# Altium PCB STM32F7_CoreBoard Last Design.PcbDoc (part 1 of 2) (continued)
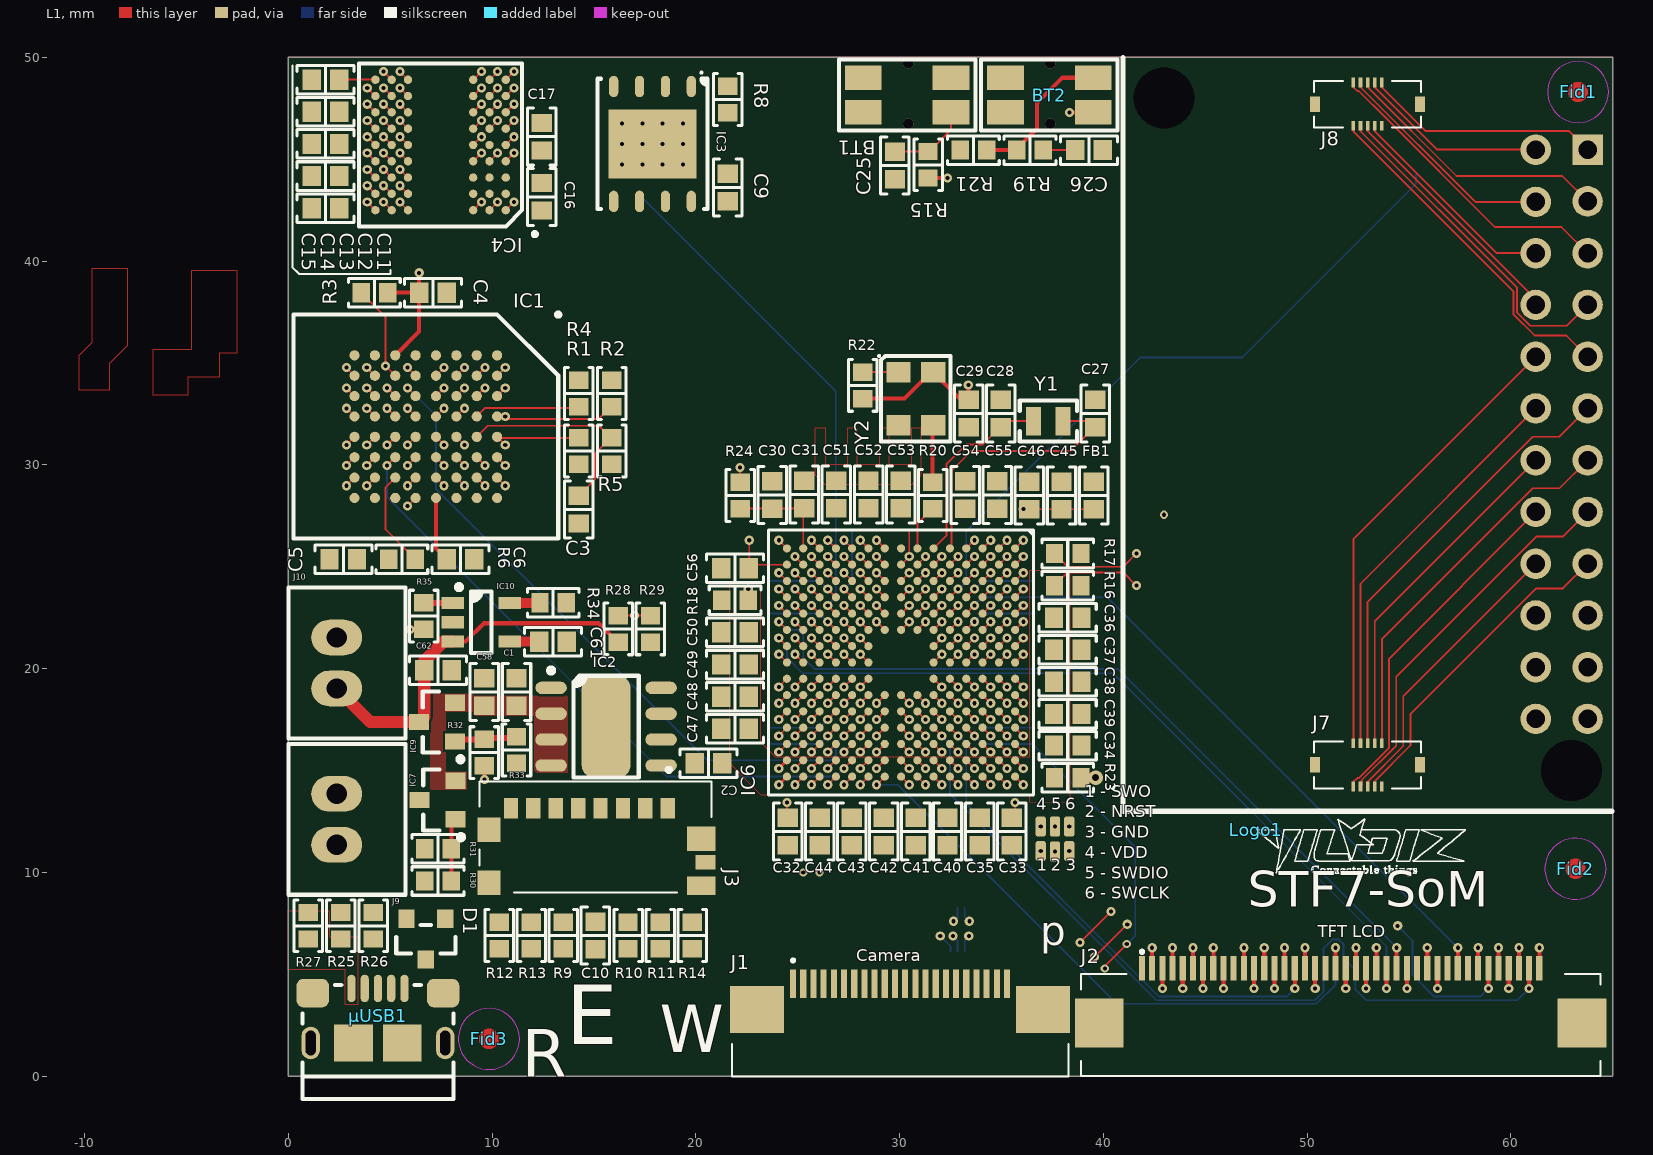
[diagram p0: L1 view]
## Classes and differential pairs
net class DATA: D0 D1 D2 D3 D4 D5 D6 D7 D8 D9 D10 D11 D12 D13 D14 D15
net class WiFi: WiFi_CTS WiFi_IRQ WiFi_MISO WiFi_MOSI WiFi_PWE WiFi_RTS WiFi_RX WiFi_SCL WiFi_TX
net class uSD: SD_CLK SD_CMD SD_D0 SD_D1 SD_D2 SD_D3 SD_DETECT
net class GSM: GSM_CTS GSM_DCD GSM_DTR GSM_PWE GSM_RI GSM_RST GSM_RTS GSM_RX GSM_TX
net class EXP: EXP_GPIO0 EXP_GPIO1 EXP_GPIO2 EXP_GPIO3 EXP_GPIO4
net class COMM: CAN_RX CAN_TX EXP_SCL EXP_SDA RS485_DE RS485_RX RS485_TX
net class ETHERNET: RMII_CRS_DV RMII_MDC RMII_MDIO RMII_REF_CLK RMII_RXD0 RMII_RXD1 RMII_RXER RMII_TX_EN RMII_TXD0 RMII_TXD1
net class SDRAM: FMC_SDCKE0 FMC_SDCLK FMC_SDNCAS FMC_SDNE0 FMC_SDNRAS FMC_SDNWE
net class FLASH: FMC_NE1 FMC_NOE FMC_NWAIT FMC_NWE
differential pair class USB_FS: USB_HS_DM
net class USB_FS: USB_HS_DM USB_HS_DM_P
component class STM32F7_BaseBoard: Fid1 Fid2 Fid3 Logo1 Logo2
net class QSPI: QSPI_CLK QSPI_D0 QSPI_D1 QSPI_D2 QSPI_D3 QSPI_NCS
net class ADDRESS: A0 A1 A2 A3 A4 A5 A6 A7 A8 A9 A10 A11 A12 A13 A14 A15 A16 A17 A18 A19 A20 A21 FMC_A22 FMC_A23 FMC_A24 FMC_A25
net class LCD: B0 B1 B2 B3 B4 B5 B6 B7 G0 G1 G2 G3 G4 G5 G6 G7 LCD_CLK LCD_HSYNC LCD_R0 LCD_R1 LCD_R2 LCD_R3 LCD_R4 LCD_R5 LCD_R6 LCD_R7 LCD_VSYNC
net class DCMI: CAMERA_LIGHT CAMERA_MISO CAMERA_MOSI CAMERA_SCL DCMI_D0 DCMI_D1 DCMI_D2 DCMI_D3 DCMI_D4 DCMI_D5 DCMI_D6 DCMI_D7 DCMI_HSYNC DCMI_NRST DCMI_PIXCK DCMI_PWREN DCMI_SCK DCMI_SDA DCMI_VSYNC
net class LCD_R[0..7]: LCD_R0 LCD_R1 LCD_R2 LCD_R3 LCD_R4 LCD_R5 LCD_R6 LCD_R7
net class G[0..7]: G0 G1 G2 G3 G4 G5 G6 G7
net class B[0..7]: B0 B1 B2 B3 B4 B5 B6 B7
net class DCMI_D[0..7]: DCMI_D0 DCMI_D1 DCMI_D2 DCMI_D3 DCMI_D4 DCMI_D5 DCMI_D6 DCMI_D7
net class D[0..15]: D0 D1 D2 D3 D4 D5 D6 D7 D8 D9 D10 D11 D12 D13 D14 D15
net class A[0..21]: A0 A1 A2 A3 A4 A5 A6 A7 A8 A9 A10 A11 A12 A13 A14 A15 A16 A17 A18 A19 A20 A21
component class U_USB: D1 R25 R26 R27 µUSB1 µUSB?
component class "U_SDRAM 1": C11 C12 C13 C14 C15 C16 C17 IC4
component class U_Connections: J5 J6 J7 J8 J11
component class U_STM32F7: BT1 BT2 C25 C26 C27 C28 C29 C30 C31 C32 C33 C34 C35 C36 C37 C38 C39 C40 C41 C42 C43 C44 C45 C46 C47 C48 C49 C50 C51 C52 C53 C54 C55 FB1 IC6 R15 R16 R17 R18 R19 R20 R21 R22 R23 R24 Y1 Y2
component class "U_SD Card": C10 J3 R9 R10 R11 R12 R13 R14
component class "U_QSPI FLASH": C9 IC3 R8
component class U_Power: C1 C2 C56 C58 C61 C62 IC2 IC7 IC9 IC10 J9 J10 R28 R29 R30 R31 R32 R33 R34 R35
component class U_LCD: J2
component class "U_Paralel NOR FLASH": C3 C4 C5 C6 IC1 R1 R2 R3 R4 R5 R6
component class U_Camera: J1
differential pair USB_HS_DM: +USB_HS_DM_P -USB_HS_DM

## Components (designator, comment, footprint, x,y, rotation, side; value= is the part's Value field where it differs from the comment)
BT1 "#NAME?" TactileButton 32.525,47.3 r180 top
BT2 "#NAME?" TactileButton 39.5,47.3 r180 top
C1 "10uF" "CAP 0603/1608" 11.2,18.85 r270 top
C2 "10uF" "CAP 0603/1608" 20.625,15.35 r180 top
C3 "100nF" "CAP 0603/1608" 14.25,27.8 r270 top
C4 "100nF" "CAP 0603/1608" 7.1,38.45 r0 top
C5 "100nF" "CAP 0603/1608" 2.7,25.375 r180 top
C6 "100nF" "CAP 0603/1608" 8.45,25.375 r0 top
C9 "100nF" "CAP 0603/1608" 21.565,43.605 r90 top
C10 "100nF" "CAP 0603/1608" 15.075,6.9 r90 top
C11 "100nF" "CAP 0603/1608" 1.83,42.6 r180 top
C12 "100nF" "CAP 0603/1608" 1.83,44.175 r180 top
C13 "100nF" "CAP 0603/1608" 1.83,45.75 r180 top
C14 "100nF" "CAP 0603/1608" 1.83,47.325 r180 top
C15 "100nF" "CAP 0603/1608" 1.83,48.9 r180 top
C16 "100nF" "CAP 0603/1608" 12.445,43.155 r270 top
C17 "100nF" "CAP 0603/1608" 12.445,46.105 r90 top
C25 "100nF" "CAP 0603/1608" 29.775,44.7 r90 top
C26 "100nF" "CAP 0603/1608" 39.3,45.45 r180 top
C27 "15pF" "CAP 0603/1608" 39.6,32.525 r270 top
C28 "15pF" "CAP 0603/1608" 34.975,32.525 r270 top
C29 "100nF" "CAP 0603/1608" 33.4,32.525 r90 top
C30 "1uF" "CAP 0603/1608" 23.75,28.525 r270 top
C31 "100nF" "CAP 0603/1608" 25.325,28.55 r270 top
C32 "2.2uF" "CAP 0603/1608" 24.505,11.998 r90 top
C33 "2.2uF" "CAP 0603/1608" 35.5,12 r90 top
C34 "4.7uF" "CAP 0603/1608" 38.255,16.223 r180 top
C35 "4.7uF" "CAP 0603/1608" 33.93,11.998 r90 top
C36 "100nF" "CAP 0603/1608" 38.255,22.498 r180 top
C37 "100nF" "CAP 0603/1608" 38.255,20.923 r180 top
C38 "100nF" "CAP 0603/1608" 38.255,19.348 r180 top
C39 "100nF" "CAP 0603/1608" 38.255,17.773 r180 top
C40 "100nF" "CAP 0603/1608" 32.355,11.998 r90 top
C41 "100nF" "CAP 0603/1608" 30.805,11.998 r90 top
C42 "100nF" "CAP 0603/1608" 29.23,11.998 r90 top
C43 "100nF" "CAP 0603/1608" 27.655,11.998 r90 top
C44 "100nF" "CAP 0603/1608" 26.08,11.998 r90 top
C45 "1uF" "CAP 0603/1608" 37.95,28.5 r270 top
C46 "100nF" "CAP 0603/1608" 36.375,28.5 r270 top
C47 "100nF" "CAP 0603/1608" 21.925,17.05 r0 top
C48 "100nF" "CAP 0603/1608" 21.925,18.625 r0 top
C49 "100nF" "CAP 0603/1608" 21.925,20.2 r0 top
C50 "100nF" "CAP 0603/1608" 21.925,21.775 r0 top
C51 "100nF" "CAP 0603/1608" 26.9,28.55 r270 top
C52 "100nF" "CAP 0603/1608" 28.48,28.548 r270 top
C53 "100nF" "CAP 0603/1608" 30.055,28.548 r270 top
C54 "100nF" "CAP 0603/1608" 33.225,28.525 r270 top
C55 "100nF" "CAP 0603/1608" 34.8,28.525 r270 top
C56 "10nF" "CAP 0603/1608" 21.93,24.923 r0 top
C58 "4.7uF" "CAP 0603/1608" 9.625,18.85 r270 top
C61 "10uF" "CAP 0603/1608" 13,21.325 r180 top
C62 "10uF" "CAP 0603/1608" 7.35,19.925 r180 top
D1 "#NAME?" "ON SEMI SOT-23-3" 6.75,6.725 r270 top
FB1 "#NAME?" "FER 0603/1608" 39.525,28.5 r90 top
Fid1 "Fiducial mark" Fiducial 63.3,48.3 r0 top
Fid2 "Fiducial mark" Fiducial 63.175,10.175 r90 top
Fid3 "Fiducial mark" Fiducial 9.85,1.825 r90 top
IC1 "#NAME?" "MICRON LBGA-64 11X13mm" 6.75,31.875 r270 top
IC2 "AP7362" "DIODES SO-8-EP" 15.6,17.15 r0 top
IC3 "#NAME?" "WINBOND WSON-8 6x5mm" 17.875,45.75 r270 top
IC4 "#NAME?" "MICRON VFBGA-54 8X14MM" 7.475,45.7 r180 top
IC6 "#NAME?" "ST TFBGA-216 13x13 0.8mm" 30.075,20.3 r270 top locked
IC7 "#NAME?" "INFINEON SOT-23-3" 7.325,13.55 r180 top
IC9 "#NAME?" "INFINEON SOT-23-3" 7.3,17.375 r180 top
IC10 "#NAME?" "MICROCHIP SOT-23-5 OT" 9.475,22.275 r0 top
J1 "#NAME?" fpc-22 30.025,3.9 r0 top locked
J2 "#NAME?" fpc-40 51.625,2.625 r180 top locked
J3 "#NAME?" "Molex - 0475710001" 15.075,11.725 r0 top
J5 "#NAME?" "HIROSE BM2410DS" 55,43.2 r180 bottom locked
J6 "#NAME?" "HIROSE BM2410DS" 10,43.2 r180 bottom locked
J7 "#NAME?" "HIROSE BM2410DS" 52.975,15.275 r180 top locked
J8 "#NAME?" "HIROSE BM2410DS" 52.975,47.7 r180 top locked
J9 "2 Pin" "JST XH B2B-XH-A" 2.375,12.6 r90 top
J10 "2 Pin" "JST XH B2B-XH-A" 2.375,20.275 r90 top
J11 "#NAME?" "HIROSE BM2410DS" 32.5,7.2 r180 bottom locked
Logo1 "Logo symbol" LOGO_YILDIZIOT 47.475,12.1 r0 top
Logo2 "Logo symbol" LOGO_YILDIZIOT 37.24,35.42 r180 bottom
R1 "10kR" "RES 0603/1608" 14.25,30.675 r270 top
R2 "10kR" "RES 0603/1608" 15.875,33.5 r90 top
R3 "10kR" "RES 0603/1608" 4.225,38.45 r0 top
R4 "10kR" "RES 0603/1608" 14.25,33.5 r90 top
R5 "10kR" "RES 0603/1608" 15.875,30.675 r270 top
R6 "10kR" "RES 0603/1608" 5.575,25.375 r0 top
R8 "10kR" "RES 0603/1608" 21.565,47.93 r270 top
R9 "4.7kR" "RES 0603/1608" 13.5,6.9 r270 top
R10 "4.7kR" "RES 0603/1608" 16.675,6.9 r270 top
R11 "4.7kR" "RES 0603/1608" 18.25,6.9 r270 top
R12 "4.7kR" "RES 0603/1608" 10.35,6.9 r270 top
R13 "4.7kR" "RES 0603/1608" 11.925,6.9 r270 top
R14 "10kR" "RES 0603/1608" 19.825,6.9 r270 top
R15 "10kR" "RES 0603/1608" 31.4,44.725 r90 top
R16 "10kR" "RES 0603/1608" 38.255,24.073 r180 top
R17 "10kR" "RES 0603/1608" 38.255,25.648 r180 top
R18 "10kR" "RES 0603/1608" 21.93,23.348 r0 top
R19 "10kR" "RES 0603/1608" 36.4,45.45 r0 top
R20 "100R" "RES 0603/1608" 31.625,28.5 r90 top
R21 "10kR" "RES 0603/1608" 33.625,45.45 r0 top
R22 "10kR" "RES 0603/1608" 28.2,33.9 r90 top
R23 "0mR" "RES 0603/1608" 38.255,14.648 r0 top
R24 "0mR" "RES 0603/1608" 22.175,28.5 r90 top
R25 "20R" "RES 0603/1608" 2.575,7.375 r270 top
R26 "20R" "RES 0603/1608" 4.175,7.375 r270 top
R27 "4.7kR" "RES 0603/1608" 0.975,7.375 r90 top
R28 "30MR" "RES 0603/1608" 16.2,21.95 r270 top
R29 "30MR" "RES 0603/1608" 17.775,21.95 r90 top
R30 "10kR" "RES 0603/1608" 7.35,9.575 r180 top
R31 "10kR" "RES 0603/1608" 7.35,11.15 r0 top
R32 "10kR" "RES 0603/1608" 9.625,15.875 r270 top
R33 "10kR" "RES 0603/1608" 11.2,16 r90 top
R34 "1kR" "RES 0603/1608" 13,23.225 r180 top
R35 "10kR" "RES 0603/1608" 6.65,22.575 r90 top
Y1 "32.768kHz" "ABRACON ABS06" 37.3,32.15 r0 top
Y2 "24MHz" "Abracon ASTX-11" 30.8,33.25 r270 top
µUSB1 "USB Micro" "FCI USB 10118193-0001LF" 4.4,1.675 r180 top locked

## Footprints (in the part's own frame and the unit in brackets; to place one, negate y for a bottom-side part, rotate by r counter-clockwise, add the part's x,y. Pads: shape width x height; smd on the part's side, far side on the other; paste and mask are expansions set on the pad)
"ABRACON ABS06" [mm] "Crystal, 2-Leads, Body 1.20x2.00mm, Pitch 1.50mm, IPC Medium Density"
  rect 0.75x1.4 smd: 1(-0.725,0) 2(0.725,0)
  silkscreen extent -1.4,-1 1.4,1, body extent -1.02,-0.62 1.03,0.63, height 0.6
"Abracon ASTX-11" [mm] "Crystal, 4-Leads, Body 2.50x3.20mm, Pitch 2.38mm, IPC Medium Density"
  rect 1x1.2 smd: 1(-1.3,-0.85) 2(1.3,-0.85) 3(1.3,0.85) 4(-1.3,0.85)
  silkscreen extent -2.15,-1.85 2.1,1.7, body extent -1.61,-1.26 1.61,1.26, height 0.9
"CAP 0603/1608" [mm] "Chip Capacitor, 2-Leads, Body 1.60x0.80mm, IPC Medium Density"
  rect 0.9x1 smd: 1(-0.675,0) 2(0.675,0)
  silkscreen extent -1.4,-0.7 1.4,0.7, body extent -0.8,-0.41 0.8,0.41, height 0.82
"DIODES SO-8-EP" [mm] "SOIC, 8-Leads, Body 4.90x3.90mm, Pitch 1.27mm, IPC Medium Density"
  oval 1.55x0.6 smd: 1(-2.7,1.905) 2(-2.7,0.635) 3(-2.7,-0.635) 4(-2.7,-1.905) 5(2.7,-1.905) 6(2.7,-0.635) 7(2.7,0.635) 8(2.7,1.905)
  rrect50% 2.4x5 smd: EP(0,0)
  silkscreen extent -2.82,-2.5 1.6,2.88, body extent -3.01,-2.45 3.01,2.45, height 1.5
"FCI USB 10118193-0001LF" [mm] "USB 2.0 Type B Micro"
  oval 0.4x1.35 smd: 1(1.3,-2.625) 2(0.65,-2.625) 3(0,-2.625) 4(-0.65,-2.625) 5(-1.3,-2.625)
  oval 0.9x1.6 hole 0.5 slot 1.2 at 90 deg: S(-3.3,0.05) S(3.3,0.05)
  rrect50% 1.6x1.4 smd: S(-3.2,-2.4) S(3.2,-2.4)
  rect 1.9x1.8 smd: S(-1.2,0.05) S(1.2,0.05)
  silkscreen extent -3.7,-2.8 3.7,2.8, body extent -3.93,-2.9 3.93,2.76, height 2.78
"FER 0603/1608" [mm] "Chip Ferrite, 2-Leads, Body 1.60x0.80mm, IPC Medium Density"
  rect 0.9x1 smd: 1(-0.675,0) 2(0.675,0)
  silkscreen extent -1.4,-0.7 1.4,0.7, body extent -0.8,-0.41 0.8,0.41, height 0.82
Fiducial [mm] "Electrolitic Radial Capacitor, 5mm pin space, 0.8mm Hole, 10.1mm diametre, 15.2 height"
  L1 circle w1: c0,0 r0
  L1 keep-out circle w0.01: c0,0 r1.5
fpc-22 [mm] "SFV22R-2STE1HLF"
  rect 0.3x1.4 smd: 1(-5.25,0.625) 2(-4.75,0.625) 3(-4.25,0.625) 4(-3.75,0.625) 5(-3.25,0.625) 6(-2.75,0.625) 7(-2.25,0.625) 8(-1.75,0.625) 9(-1.25,0.625) 10(-0.75,0.625) 11(-0.25,0.625) 12(0.25,0.625) 13(0.75,0.625) 14(1.25,0.625) 15(1.75,0.625) 16(2.25,0.625) 17(2.75,0.625) 18(3.25,0.625) 19(3.75,0.625) 20(4.25,0.625) 21(4.75,0.625) 22(5.25,0.625)
  rect 2.65x2.3 smd: MP1(-7.025,-0.625) MP2(7.025,-0.625)
  silkscreen extent -8.25,-3.93 8.27,1.82, body extent -8.25,-3.87 8.25,1.03, height 1.82
fpc-40 [mm] "40 way 0.5 pitch FPC Connector"
  rect 0.3x1.2 smd: 1(9.725,-2.675) 2(9.225,-2.675) 3(8.725,-2.675) 4(8.225,-2.675) 5(7.725,-2.675) 6(7.225,-2.675) 7(6.725,-2.675) 8(6.225,-2.675) 9(5.725,-2.675) 10(5.225,-2.675) 11(4.725,-2.675) 12(4.225,-2.675) 13(3.725,-2.675) 14(3.225,-2.675) 15(2.725,-2.675) 16(2.225,-2.675) 17(1.725,-2.675) 18(1.225,-2.675) 19(0.725,-2.675) 20(0.225,-2.675) 21(-0.275,-2.675) 22(-0.775,-2.675) 23(-1.275,-2.675) 24(-1.775,-2.675) 25(-2.275,-2.675) 26(-2.775,-2.675) 27(-3.275,-2.675) 28(-3.775,-2.675) 29(-4.275,-2.675) 30(-4.775,-2.675) 31(-5.275,-2.675) 32(-5.775,-2.675) 33(-6.275,-2.675) 34(-6.775,-2.675) 35(-7.275,-2.675) 36(-7.775,-2.675) 37(-8.275,-2.675) 38(-8.775,-2.675) 39(-9.275,-2.675) 40(-9.775,-2.675)
  rect 2.4x2.4 smd: MP1(11.825,0.025) MP2(-11.875,0.025)
  silkscreen extent -12.77,-3.52 12.73,2.62, body extent -12.77,-3.03 12.72,2.58, height 2
"HIROSE BM2410DS" [mm]
  rect 0.18x0.48 smd: 1(-0.7,-1.06) 2(-0.7,1.06) 3(-0.35,-1.06) 4(-0.35,1.06) 5(0,-1.06) 6(0,1.06) 7(0.35,-1.06) 8(0.35,1.06) 9(0.7,-1.06) 10(0.7,1.06)
  rect 0.49x0.76 smd: MP1(-2.58,0) MP2(2.58,0)
  silkscreen extent -2.63,-1.15 2.63,1.15, body extent -2.63,-1.24 2.62,1.06, height 0.78
"INFINEON SOT-23-3" [mm] "SOT23, 3-Leads, Body 2.90x2.40mm, Pitch 0.95mm, IPC Medium Density"
  rect 0.972x0.802 smd: 1(-0.885,0.95) 2(-0.885,-0.95) 3(0.885,0)
  silkscreen extent -1.28,-1.5 0.7,1.95, body extent -1.16,-1.45 1.16,1.45, height 1
"JST XH B2B-XH-A" [mm]
  oval 1.75x2.5 hole 1: 1(-1.25,0) 2(1.25,0)
  silkscreen extent -3.7,-3.38 3.7,2.38, body extent -3.7,-3.38 3.7,2.38, height 7
LOGO_YILDIZIOT [mm] "YýLDýZ IoT Logo"
  silkscreen extent 0.02,-2.27 10.31,0.53
"MICROCHIP SOT-23-5 OT" [mm] "SOT23, 5-Leads, Body 2.90x2.70mm, Pitch 0.95mm, IPC Medium Density"
  rect 1.1x0.6 smd: 1(-1.4,0.95) 2(-1.4,0) 3(-1.4,-0.95) 4(1.4,-0.95) 5(1.4,0.95)
  silkscreen extent -1.22,-1.5 0.5,1.85, body extent -1.36,-1.45 1.36,1.45, height 1.19
"MICRON LBGA-64 11X13mm" [mm] "64-Ball LBGA – 11mm x 13mm (Package Code: PC)"
  round 0.5 smd: A1(-3.5,3.5) A2(-2.5,3.5) A3(-1.5,3.5) A4(-0.5,3.5) A5(0.5,3.5) A6(1.5,3.5) A7(2.5,3.5) A8(3.5,3.5) B1(-3.5,2.5) B2(-2.5,2.5) B3(-1.5,2.5) B4(-0.5,2.5) B5(0.5,2.5) B6(1.5,2.5) B7(2.5,2.5) B8(3.5,2.5) C1(-3.5,1.5) C2(-2.5,1.5) C3(-1.5,1.5) C4(-0.5,1.5) C5(0.5,1.5) C6(1.5,1.5) C7(2.5,1.5) C8(3.5,1.5) D1(-3.5,0.5) D2(-2.5,0.5) D3(-1.5,0.5) D4(-0.5,0.5) D5(0.5,0.5) D6(1.5,0.5) D7(2.5,0.5) D8(3.5,0.5) E1(-3.5,-0.5) E2(-2.5,-0.5) E3(-1.5,-0.5) E4(-0.5,-0.5) E5(0.5,-0.5) E6(1.5,-0.5) E7(2.5,-0.5) E8(3.5,-0.5) F1(-3.5,-1.5) F2(-2.5,-1.5) F3(-1.5,-1.5) F4(-0.5,-1.5) F5(0.5,-1.5) F6(1.5,-1.5) F7(2.5,-1.5) F8(3.5,-1.5) G1(-3.5,-2.5) G2(-2.5,-2.5) G3(-1.5,-2.5) G4(-0.5,-2.5) G5(0.5,-2.5) G6(1.5,-2.5) G7(2.5,-2.5) G8(3.5,-2.5) H1(-3.5,-3.5) H2(-2.5,-3.5) H3(-1.5,-3.5) H4(-0.5,-3.5) H5(0.5,-3.5) H6(1.5,-3.5) H7(2.5,-3.5) H8(3.5,-3.5)
  silkscreen extent -5.6,-6.5 5.5,6.6, body extent -5.5,-6.5 5.5,6.5, height 1.4
"MICRON VFBGA-54 8X14MM" [mm] "54-Ball VFBGA \"BG/FG\" (8mm x 14mm) (x16)"
  round 0.41 smd: A1(-3.2,3.2) A2(-2.4,3.2) A3(-1.6,3.2) A7(1.6,3.2) A8(2.4,3.2) A9(3.2,3.2) B1(-3.2,2.4) B2(-2.4,2.4) B3(-1.6,2.4) B7(1.6,2.4) B8(2.4,2.4) B9(3.2,2.4) C1(-3.2,1.6) C2(-2.4,1.6) C3(-1.6,1.6) C7(1.6,1.6) C8(2.4,1.6) C9(3.2,1.6) D1(-3.2,0.8) D2(-2.4,0.8) D3(-1.6,0.8) D7(1.6,0.8) D8(2.4,0.8) D9(3.2,0.8) E1(-3.2,0) E2(-2.4,0) E3(-1.6,0) E7(1.6,0) E8(2.4,0) E9(3.2,0) F1(-3.2,-0.8) F2(-2.4,-0.8) F3(-1.6,-0.8) F7(1.6,-0.8) F8(2.4,-0.8) F9(3.2,-0.8) G1(-3.2,-1.6) G2(-2.4,-1.6) G3(-1.6,-1.6) G7(1.6,-1.6) G8(2.4,-1.6) G9(3.2,-1.6) H1(-3.2,-2.4) H2(-2.4,-2.4) H3(-1.6,-2.4) H7(1.6,-2.4) H8(2.4,-2.4) H9(3.2,-2.4) J1(-3.2,-3.2) J2(-2.4,-3.2) J3(-1.6,-3.2) J7(1.6,-3.2) J8(2.4,-3.2) J9(3.2,-3.2)
  silkscreen extent -4.72,-4 4,4.47, body extent -4,-4 4,4, height 1.1
"Molex - 0475710001" [mm] "9 (8 + 1) Position Card Connector Secure Digital - microSD™ Surface Mount, Right Angle Gold"
  rect 0.7x1 smd: 1(3.55,1.415) 2(2.45,1.415) 3(1.35,1.415) 4(0.25,1.415) 5(-0.85,1.415) 6(-1.95,1.415) 7(-3.05,1.415) 8(-4.15,1.415)
  rect 1.15x1.2 smd: G1(-5.225,0.365) G2(-5.225,-2.225)
  rect 1.4x1.2 smd: G3(5.2,-0.075)
  rect 1x0.7 smd: G4(5.4,-1.225)
  rect 1.4x0.9 smd: G5(5.2,-2.375)
  silkscreen extent -5.7,-2.73 5.7,3.4, body extent -5.77,-2.68 5.63,2.77, height 2.26
"ON SEMI SOT-23-3" [mm] "SOT23, 3-Leads, Body 2.90x2.40mm, Pitch 0.95mm, IPC Medium Density"
  rect 0.9x0.8 smd: 1(-1,0.95) 2(-1,-0.95) 3(1,0)
  silkscreen extent -0.7,-1.45 0.7,1.45, body extent -1.16,-1.45 1.16,1.45, height 1
"RES 0603/1608" [mm] "Chip Resistor, 2-Leads, Body 1.60x0.80mm, IPC Medium Density"
  rect 0.85x0.95 smd: 1(-0.65,0) 2(0.65,0)
  silkscreen extent -1.27,-0.7 1.27,0.7, body extent -0.8,-0.4 0.8,0.4, height 0.45
"ST TFBGA-216 13x13 0.8mm" [mm] "TFBGA216, 13 × 13 × 0.8 mm thin fine-pitch ball grid array"
  round 0.4 smd paste+0 mask+0.038: A1(-5.601,5.6) A2(-4.801,5.6) A3(-4.001,5.6) A4(-3.2,5.6) A5(-2.4,5.6) A6(-1.6,5.6) A7(-0.8,5.6) A8(0,5.6) A9(0.8,5.6) A10(1.6,5.6) A11(2.4,5.6) A12(3.2,5.6) A13(4,5.6) A14(4.801,5.6) A15(5.601,5.6) B1(-5.601,4.8) B2(-4.801,4.8) B3(-4.001,4.8) B4(-3.2,4.8) B5(-2.4,4.8) B6(-1.6,4.8) B7(-0.8,4.8) B8(0,4.8) B9(0.8,4.8) B10(1.6,4.8) B11(2.4,4.8) B12(3.2,4.8) B13(4,4.8) B14(4.801,4.8) B15(5.601,4.8) C1(-5.601,4) C2(-4.801,4) C3(-4.001,4) C4(-3.2,4) C5(-2.4,4) C6(-1.6,4) C7(-0.8,4) C8(0,4) C9(0.8,4) C10(1.6,4) C11(2.4,4) C12(3.2,4) C13(4,4) C14(4.801,4) C15(5.601,4) D1(-5.601,3.2) D2(-4.801,3.2) D3(-4.001,3.2) D4(-3.2,3.2) D5(-2.4,3.2) D6(-1.6,3.2) D7(-0.8,3.2) D8(0,3.2) D9(0.8,3.2) D10(1.6,3.2) D11(2.4,3.2) D12(3.2,3.2) D13(4,3.2) D14(4.801,3.2) D15(5.601,3.2) E1(-5.601,2.4) E2(-4.801,2.4) E3(-4.001,2.4) E4(-3.2,2.4) E5(-2.4,2.4) E6(-1.6,2.4) E7(-0.8,2.4) E8(0,2.4) E9(0.8,2.4) E10(1.6,2.4) E11(2.4,2.4) E12(3.2,2.4) E13(4,2.4) E14(4.801,2.4) E15(5.601,2.4) F1(-5.601,1.6) F2(-4.801,1.6) F3(-4,1.6) F4(-3.2,1.6) F5(-2.4,1.6) F6(-1.6,1.6) F7(-0.8,1.6) F8(0,1.6) F9(0.8,1.6) F10(1.6,1.6) F11(2.4,1.6) F12(3.2,1.6) F13(4,1.6) F14(4.801,1.6) F15(5.601,1.6) G1(-5.601,0.8) G2(-4.801,0.8) G3(-4,0.8) G4(-3.2,0.8) G5(-2.4,0.8) G6(-1.6,0.8) G10(1.6,0.8) G11(2.4,0.8) G12(3.2,0.8) G13(4,0.8) G14(4.801,0.8) G15(5.601,0.8) H1(-5.601,0) H2(-4.801,0) H3(-4,0) H4(-3.2,0) H5(-2.4,0) H6(-1.6,0) H10(1.6,0) H11(2.4,0) H12(3.2,0) H13(4,0) H14(4.801,0) H15(5.601,0) J1(-5.601,-0.8) J2(-4.801,-0.8) J3(-4,-0.8) J4(-3.2,-0.8) J5(-2.4,-0.8) J6(-1.6,-0.8) J10(1.6,-0.8) J11(2.4,-0.8) J12(3.2,-0.8) J13(4,-0.8) J14(4.801,-0.8) J15(5.601,-0.8) K1(-5.601,-1.6) K2(-4.801,-1.6) K3(-4,-1.6) K4(-3.2,-1.6) K5(-2.4,-1.6) K6(-1.6,-1.6) K7(-0.8,-1.6) K8(0,-1.6) K9(0.8,-1.6) K10(1.6,-1.6) K11(2.4,-1.6) K12(3.2,-1.6) K13(4,-1.6) K14(4.801,-1.6) K15(5.601,-1.6) L1(-5.601,-2.4) L2(-4.801,-2.4) L3(-4,-2.4) L4(-3.2,-2.4) L5(-2.4,-2.4) L6(-1.6,-2.4) L7(-0.8,-2.4) L8(0,-2.4) L9(0.8,-2.4) L10(1.6,-2.4) L11(2.4,-2.4) L12(3.2,-2.4) L13(4.001,-2.4) L14(4.801,-2.4) L15(5.601,-2.4) M1(-5.601,-3.2) M2(-4.801,-3.2) M3(-4,-3.2) M4(-3.2,-3.2) M5(-2.4,-3.2) M6(-1.6,-3.2) M7(-0.8,-3.2) M8(0,-3.2) M9(0.8,-3.2) M10(1.6,-3.2) M11(2.4,-3.2) M12(3.2,-3.2) M13(4.001,-3.2) M14(4.801,-3.2) M15(5.601,-3.2) N1(-5.601,-4) N2(-4.801,-4) N3(-4,-4) N4(-3.2,-4) N5(-2.4,-4) N6(-1.6,-4) N7(-0.8,-4) N8(0,-4) N9(0.8,-4) N10(1.6,-4) N11(2.4,-4) N12(3.2,-4) N13(4.001,-4) N14(4.801,-4) N15(5.601,-4) P1(-5.601,-4.8) P2(-4.801,-4.8) P3(-4,-4.8) P4(-3.2,-4.8) P5(-2.4,-4.8) P6(-1.6,-4.8) P7(-0.8,-4.8) P8(0,-4.8) P9(0.8,-4.8) P10(1.6,-4.8) P11(2.4,-4.8) P12(3.2,-4.8) P13(4.001,-4.8) P14(4.801,-4.8) P15(5.601,-4.8) R1(-5.601,-5.6) R2(-4.801,-5.6) R3(-4,-5.6) R4(-3.2,-5.6) R5(-2.4,-5.6) R6(-1.6,-5.6) R7(-0.8,-5.6) R8(0,-5.6) R9(0.8,-5.6) R10(1.6,-5.6) R11(2.4,-5.6) R12(3.2,-5.6) R13(4.001,-5.6) R14(4.801,-5.6) R15(5.601,-5.6)
  silkscreen extent -6.5,-6.5 6.5,6.5, body extent -6.5,-6.5 6.5,6.5, height 0.94
TactileButton [mm] "Mando Tactile Button"
  rect 1.8x1.2 smd: 1(0,0) 2(0,-1.7) 3(4.3,0) 4(4.3,-1.7)
  silkscreen extent -1.2,-2.6 5.5,0.9, body extent -0.65,-3.65 4.85,0.85, height 1.6
"WINBOND WSON-8 6x5mm" [mm] "SON, 8-Leads, Body 5.00x6.00mm, Pitch 1.27mm, Thermal Pad 4.30x3.40mm, IPC Medium Density"
  oval 1.05x0.45 smd: 1(-2.82,1.905) 2(-2.82,0.635) 3(-2.82,-0.635) 4(-2.82,-1.905) 5(2.82,-1.905) 6(2.82,-0.635) 7(2.82,0.635) 8(2.82,1.905)
  rect 3.4x4.3 smd paste-1.7 mask+0: 9(0,0)
  silkscreen extent -3.55,-2.7 3.2,2.7, body extent -3.05,-2.55 3.05,2.55, height 0.8

## Part data
BT1 BT2: library part Button, "Button, 2 pin", Case/Package=SMD/SMT, Contact Current Rating=50mA, Contact Resistance=500mR, Manufacturer=Panasonic, Manufacturer Part Number=EVQP7J01P, Max Operating Temperature=70°C, Max Voltage Rating (DC)=12V, Min Operating Temperature=-20°C, Operating Force=1.6N, Package Quantity=5000, Supplier Part Number 1=P16767CT-ND, Actuator Length=0.65mm, ComponentLink1Description=https://datasheet.ciiva.com/24076/atv0000ce4-259034-24076561.pdf?src-supplier=Mouser, ComponentLink1URL=https://datasheet.ciiva.com/24076/atv0000ce4-259034-24076561.pdf?src-supplier=Mouser, ComponentLink2Description=https://datasheet.ciiva.com/29974/atk0000ce20-29974069.pdf?src-supplier=Avnet, ComponentLink2URL=https://datasheet.ciiva.com/29974/atk0000ce20-29974069.pdf?src-supplier=Avnet, ComponentLink3Description=https://datasheet.ciiva.com/22777/atk0000ce20-22777575.pdf?src-supplier=Farnell, ComponentLink3URL=https://datasheet.ciiva.com/22777/atk0000ce20-22777575.pdf?src-supplier=Farnell, ComponentLink4Description=https://datasheet.ciiva.com/30252/atk0000ce20-30252044.pdf?src-supplier=Onlinecomponents.com, ComponentLink4URL=https://datasheet.ciiva.com/30252/atk0000ce20-30252044.pdf?src-supplier=Onlinecomponents.com, Current Rating=50mA, Electrical Life=100000Cycles, Height=1.35mm, Illumination Type=Non-Illuminated, Lead Free="Lead Free", Length=3.5mm, Mechanical Life=100000Cycles, Mount="Surface Mount", Orientation="Right Angle", Packaging="Tape and Reel", Pricing 1="1 = 0,30000, 10 = 0,28600, 25 = 0,27600, 50 = 0,26560, 100 = 0,25550, 250 = 0,23504, 500 = 0,20438, 1000 = 0,17372 (USD)", Radiation Hardening=No, REACH SVHC="No SVHC", RoHS=Yes, Stock 1=23697, Supplier 1=Digi-Key, Switch Function=Off-Mom, Switch Travel=0.2mm, Termination="Gull Wing", Throw Configuration=SPST, Voltage Rating (DC)=12V, Width=2.9mm
C1 C2 C61 C62: library part "Capacitor - Ceramic", "Ceramic, SMT Capacitor", Case/Package=0603, Case Code (Metric)=1608, Dielectric=X5R, Manufacturer=Samsung, Manufacturer Part Number=CL10A106MQ8NNNC, Max Operating Temperature=85°C, Min Operating Temperature=-55°C, Package Quantity=1, Supplier Part Number 1=1276-1119-1-ND, Tolerance=20%, Voltage=6.3V, Capacitance=10uF, Case Code (Imperial)=0603, ComponentLink1Description=https://datasheet.ciiva.com/25798/cl10a106mq8nnnc-25798320.pdf?src-supplier=Digi-Key, ComponentLink1URL=https://datasheet.ciiva.com/25798/cl10a106mq8nnnc-25798320.pdf?src-supplier=Digi-Key, ComponentLink2Description=https://datasheet.ciiva.com/26838/getdatasheetpartid-357557-26838347.pdf?src-supplier=Verical, ComponentLink2URL=https://datasheet.ciiva.com/26838/getdatasheetpartid-357557-26838347.pdf?src-supplier=Verical, ComponentLink3Description=https://datasheet.ciiva.com/16437/cl05b104kq5nnnc-16437327.pdf?src-supplier=Future+Electronics, ComponentLink3URL=https://datasheet.ciiva.com/16437/cl05b104kq5nnnc-16437327.pdf?src-supplier=Future+Electronics, Contact Plating=Tin, Depth=0.8mm, Height=0.8mm, Length=1.6mm, Mount="Surface Mount", Packaging="Tape and Reel", Pricing 1="1 = 0,15000, 10 = 0,11000, 100 = 0,05150, 500 = 0,03614, 1000 = 0,02992 (USD)", Radiation Hardening=No, RoHS=Yes, Stock 1=4408315, Supplier 1=Digi-Key, Thickness=0.035inch, Voltage Rating=6.3V, Width=0.031inch
C3 C4 C5 C6 C9 C10 C11 C12 C13 C14 C15 C16 C17 C25 C26 C29 C31 C36 C37 C38 C39 C40 C41 C42 C43 C44 C46 C47 C48 C49 C50 C51 C52 C53 C54 C55: library part "Capacitor - Ceramic", "Ceramic, SMT Capacitor", Case/Package=0603, Case Code (Metric)=1608, Dielectric=X7R, Manufacturer=Samsung, Manufacturer Part Number=CL10B104JB8NNNC, Max Operating Temperature=125°C, Min Operating Temperature=-55°C, Package Quantity=1, Supplier Part Number 1=1276-1033-1-ND, Tolerance=5%, Voltage=50V, Capacitance=100nF, Case Code (Imperial)=0603, Contact Plating=Tin, Depth=0.8mm, Height=0.8mm, Length=1.6mm, Material=Ceramic, Mount="Surface Mount", Packaging="Tape and Reel", Radiation Hardening=No, RoHS=Yes, Supplier 1=Digi-Key, Thickness=0.035inch, Voltage Rating=50V, Width=0.031inch
  C3 C4 C5 C6 C9 C11 C12 C13 C14 C15 C16 C17: ComponentLink1Description=https://datasheet.ciiva.com/25793/cl10b104jb8nnnc-25793394.pdf?src-supplier=Digi-Key, ComponentLink1URL=https://datasheet.ciiva.com/25793/cl10b104jb8nnnc-25793394.pdf?src-supplier=Digi-Key, ComponentLink2Description=https://datasheet.ciiva.com/26838/getdatasheetpartid-359321-26838402.pdf?src-supplier=Verical, ComponentLink2URL=https://datasheet.ciiva.com/26838/getdatasheetpartid-359321-26838402.pdf?src-supplier=Verical, ComponentLink3Description=https://datasheet.ciiva.com/16498/cl10b104jb8nnnc-16498485.pdf?src-supplier=Future+Electronics, ComponentLink3URL=https://datasheet.ciiva.com/16498/cl10b104jb8nnnc-16498485.pdf?src-supplier=Future+Electronics, ComponentLink4Description=https://datasheet.ciiva.com/29199/456613-da-01-en-vs-kondensator-0603-29199008.pdf?src-supplier=Conrad, ComponentLink4URL=https://datasheet.ciiva.com/29199/456613-da-01-en-vs-kondensator-0603-29199008.pdf?src-supplier=Conrad, Pricing 1="1 = 0,10000, 10 = 0,04800, 100 = 0,02160, 500 = 0,01540, 1000 = 0,01210 (USD)", Stock 1=305374
  C10 C25 C26 C29 C31 C36 C37 C38 C39 C40 C41 C42 C43 C44 C46 C47 C48 C49 C50 C51 C52 C53 C54 C55: ComponentLink1Description=https://media.digikey.com/pdf/Data%20Sheets/Samsung%20PDFs/CL_Series_MLCC_ds.pdf?src-supplier=Digi-Key, ComponentLink1URL=https://media.digikey.com/pdf/Data%20Sheets/Samsung%20PDFs/CL_Series_MLCC_ds.pdf?src-supplier=Digi-Key, ComponentLink2Description=https://www.verical.com/server-webapp/html/getDatasheet?partID=359321&src-supplier=Verical, ComponentLink2URL=https://www.verical.com/server-webapp/html/getDatasheet?partID=359321&src-supplier=Verical, ComponentLink3Description=http://www1.futureelectronics.com/doc/SAMSUNG/CL10B104JB8NNNC.pdf?src-supplier=Future+Electronics, ComponentLink3URL=http://www1.futureelectronics.com/doc/SAMSUNG/CL10B104JB8NNNC.pdf?src-supplier=Future+Electronics, ComponentLink4Description=https://produktinfo.conrad.com/datenblaetter/450000-474999/456613-da-01-en-VS_KONDENSATOR_0603.pdf?src-supplier=Conrad, ComponentLink4URL=https://produktinfo.conrad.com/datenblaetter/450000-474999/456613-da-01-en-VS_KONDENSATOR_0603.pdf?src-supplier=Conrad, Pricing 1="1 = 0,10000, 10 = 0,05300, 100 = 0,02350, 500 = 0,01680, 1000 = 0,01320 (USD)", Stock 1=223594
C27 C28: library part "Capacitor - Ceramic", "Ceramic, SMT Capacitor", Case/Package=0603, Case Code (Metric)=1608, Dielectric=C0G, Manufacturer="Walsin Technologies", Manufacturer Part Number=0603N150J500CT, Max Operating Temperature=125°C, Min Operating Temperature=-55°C, Supplier Part Number 1=1292-1487-1-ND, Tolerance=5%, Voltage Rating=50V, Capacitance=15pF, Case Code (Imperial)=0603, ComponentLink1Description=http://www.farnell.com/datasheets/1958513.pdf?src-supplier=Farnell, ComponentLink1URL=http://www.farnell.com/datasheets/1958513.pdf?src-supplier=Farnell, ComponentLink2Description=http://www.farnell.com/datasheets/2340522.pdf?src-supplier=Farnell, ComponentLink2URL=http://www.farnell.com/datasheets/2340522.pdf?src-supplier=Farnell, ComponentLink3Description=http://components.arrow.com/part/dataview/0323_03468609?src-supplier=Arrow+Europe, ComponentLink3URL=http://components.arrow.com/part/dataview/0323_03468609?src-supplier=Arrow+Europe, ComponentLink4Description=http://www.farnell.com/datasheets/1958513.pdf?src-supplier=Element14, ComponentLink4URL=http://www.farnell.com/datasheets/1958513.pdf?src-supplier=Element14, Depth=0.8mm, Length=1.6mm, Packaging="Tape and Reel", Pricing 1="1 = 0,10000, 10 = 0,03300, 100 = 0,01490, 500 = 0,01062, 1000 = 0,00835 (USD)", REACH SVHC=Unknown, RoHS=Yes, Stock 1=219118, Supplier 1=Digi-Key, Voltage Rating (DC)=50V
C30 C45: library part "Capacitor - Ceramic", "Ceramic, SMT Capacitor", Case/Package=0603, Case Code (Metric)=1608, Dielectric=X5R, Manufacturer=Samsung, Manufacturer Part Number=CL10A105KP8NNNC, Max Operating Temperature=85°C, Min Operating Temperature=-55°C, Package Quantity=1, Supplier Part Number 1=1276-1182-1-ND, Tolerance=10%, Voltage=10V, Capacitance=1uF, Case Code (Imperial)=0603, ComponentLink1Description=https://datasheet.ciiva.com/15195/getdatasheetpartid-358616-15195708.pdf?src-supplier=Verical, ComponentLink1URL=https://datasheet.ciiva.com/15195/getdatasheetpartid-358616-15195708.pdf?src-supplier=Verical, ComponentLink2Description=https://datasheet.ciiva.com/16358/cl05b104kq5nnnc-16358431.pdf?src-supplier=Future+Electronics, ComponentLink2URL=https://datasheet.ciiva.com/16358/cl05b104kq5nnnc-16358431.pdf?src-supplier=Future+Electronics, Contact Plating=Tin, Depth=0.8mm, Height=0.8mm, Length=1.6mm, Mount="Surface Mount", Packaging="Tape and Reel", Pricing 1="1 = 0,10000, 10 = 0,03800, 100 = 0,01680, 500 = 0,01200, 1000 = 0,00943 (USD)", Radiation Hardening=No, RoHS=Yes, Stock 1=4590831, Supplier 1=Digi-Key, Thickness=0.035inch, Voltage Rating=10V, Width=0.031inch
C32 C33: library part "Capacitor - Ceramic", "Ceramic, SMT Capacitor", Case/Package=0603, Case Code (Metric)=1608, Dielectric=X5R, Manufacturer=Samsung, Manufacturer Part Number=CL10A225KQ8NNNC, Max Operating Temperature=85°C, Min Operating Temperature=-55°C, Package Quantity=1, Supplier Part Number 1=1276-1183-1-ND, Tolerance=10%, Voltage=6.3V, Capacitance=2.2uF, Case Code (Imperial)=0603, ComponentLink1Description=https://datasheet.ciiva.com/15195/getdatasheetpartid-358618-15195712.pdf?src-supplier=Verical, ComponentLink1URL=https://datasheet.ciiva.com/15195/getdatasheetpartid-358618-15195712.pdf?src-supplier=Verical, ComponentLink2Description=https://datasheet.ciiva.com/16199/cl10a225kq8nnnc-16199203.pdf?src-supplier=Future+Electronics, ComponentLink2URL=https://datasheet.ciiva.com/16199/cl10a225kq8nnnc-16199203.pdf?src-supplier=Future+Electronics, Contact Plating=Tin, Depth=0.8mm, Height=0.8mm, Lead Free="Lead Free", Length=1.6mm, Mount="Surface Mount", Packaging="Tape and Reel", Pricing 1="1 = 0,11000, 10 = 0,07700, 100 = 0,03430, 500 = 0,02450, 1000 = 0,01925 (USD)", Radiation Hardening=No, RoHS=Yes, Stock 1=900644, Supplier 1=Digi-Key, Thickness=0.035inch, Voltage Rating=6.3V, Voltage Rating (DC)=6.3V, Width=0.031inch
C34 C35 C58: library part "Capacitor - Ceramic", "Ceramic, SMT Capacitor", Case/Package=0603, Case Code (Metric)=1608, Dielectric=X5R, Manufacturer=Samsung, Manufacturer Part Number=CL10A475MQ8NNNC, Max Operating Temperature=85°C, Min Operating Temperature=-55°C, Package Quantity=4000, Supplier Part Number 1=1276-1907-1-ND, Tolerance=20%, Voltage Rating=6.3V, Capacitance=4.7uF, Case Code (Imperial)=0603, ComponentLink1Description=https://datasheet.ciiva.com/25713/cl10a475mq8nnnc-25713301.pdf?src-supplier=Digi-Key, ComponentLink1URL=https://datasheet.ciiva.com/25713/cl10a475mq8nnnc-25713301.pdf?src-supplier=Digi-Key, ComponentLink2Description=https://datasheet.ciiva.com/26838/getdatasheetpartid-358407-26838391.pdf?src-supplier=Verical, ComponentLink2URL=https://datasheet.ciiva.com/26838/getdatasheetpartid-358407-26838391.pdf?src-supplier=Verical, ComponentLink3Description=https://datasheet.ciiva.com/16437/cl05b104kq5nnnc-16437323.pdf?src-supplier=Future+Electronics, ComponentLink3URL=https://datasheet.ciiva.com/16437/cl05b104kq5nnnc-16437323.pdf?src-supplier=Future+Electronics, Depth=0.8mm, Height=0.8mm, Lead Free="Lead Free", Length=1.6mm, Mount="Surface Mount", Packaging="Tape and Reel", Pricing 1="1 = 0,10000, 10 = 0,06300, 100 = 0,02790, 500 = 0,01990, 1000 = 0,01564 (USD)", Radiation Hardening=No, RoHS=Yes, Stock 1=764729, Supplier 1=Digi-Key, Thickness=0.035inch, Voltage Rating (DC)=6.3V, Width=0.031inch
C56: library part "Capacitor - Ceramic", "Ceramic, SMT Capacitor", Case/Package=0603, Dielectric=X7R, Manufacturer=KEMET, Manufacturer Part Number=C0603C103J5RACTU, Max Operating Temperature=125°C, Min Operating Temperature=-55°C, Supplier Part Number 1=399-1092-1-ND, Tolerance=5%, Capacitance=10nF, ComponentLink1Description=https://datasheet.ciiva.com/22749/kem-c1002-x7r-smd-22749720.pdf?src-supplier=Element14, ComponentLink1URL=https://datasheet.ciiva.com/22749/kem-c1002-x7r-smd-22749720.pdf?src-supplier=Element14, ComponentLink2Description=https://datasheet.ciiva.com/26847/getdatasheetpartid-317400-26847516.pdf?src-supplier=Verical, ComponentLink2URL=https://datasheet.ciiva.com/26847/getdatasheetpartid-317400-26847516.pdf?src-supplier=Verical, Depth=0.8mm, Height=0.8mm, Length=1.6mm, Mount="Surface Mount", Packaging="Tape and Reel", Pricing 1="1 = 0,10000, 10 = 0,05300, 100 = 0,02360, 500 = 0,01682, 1000 = 0,01322 (USD)", Radiation Hardening=No, RoHS=Yes, Stock 1=659548, Supplier 1=Digi-Key
D1: library part NUP2105LT1G, "TVS DIODE 24V 44V SOT23-3", Capacitance @ Frequency="30pF @ 1MHz", Current - Peak Pulse (10/1000µs)="8A (8/20µs)", Device Package="TO-236-3, SC-59, SOT-23-3", Manufacturer="ON Semiconductor", Operating Temperature="-55°C ~ 150°C (TJ)", Power - Peak Pulse=350W, Power Line Protection=No, Supplier Device Package="SOT-23-3 (TO-236)", Supplier Part Number 1=NUP2105LT1GOSCT-ND, Voltage - Breakdown (Min)=26.2V, Voltage - Clamping (Max) @ Ipp=44V, Voltage - Reverse Standoff (Typ)="24V (Min)", Applications="General Purpose", Bidirectional Channels=2, ComponentLink1Description=Datasheet, ComponentLink1URL=http://www.onsemi.com/pub/Collateral/NUP2105L-D.PDF, ComponentLink2Description="DigiKey Link", ComponentLink2URL=http://digikey.com/product-detail/en/on-semiconductor/NUP2105LT1G/NUP2105LT1GOSCT-ND/1485001, LastUpdated="30.03.2020 16:33:57", Lifecycle Status=Active, Manufacturer Part Number=NUP2105LT1G, Minimum Order=1, Mounting Type="Surface Mount", Package / Case="TO-236-3, SC-59, SOT-23-3", Packaging=TapeAndReel, PartId=10506, Part Status=Active, Price=0.09, Series=-, Supplier 1=DigiKey, Type=Zener
FB1: library part "Ferrite Chip", "SMT Ferrite Chip", Case/Package=0603, Case Code (Metric)=1608, Current Rating=500mA, DC Resistance (DCR)=380mR, Frequency=100MHz, Manufacturer=Murata, Manufacturer Part Number=BLM18AG601SN1D, Max Operating Temperature=125°C, Min Operating Temperature=-55°C, Package Quantity=1, Supplier Part Number 1=490-1014-1-ND, Tolerance=25%, Case Code (Imperial)=0603, ComponentLink1Description=https://datasheet.ciiva.com/19460/1844766-19460213.pdf?src-supplier=Jameco, ComponentLink1URL=https://datasheet.ciiva.com/19460/1844766-19460213.pdf?src-supplier=Jameco, ComponentLink2Description=https://datasheet.ciiva.com/29347/442309-da-01-en-chip-drossel-0603-600r-500ma-1-6x0-8mm-29347900.pdf?src-supplier=Conrad, ComponentLink2URL=https://datasheet.ciiva.com/29347/442309-da-01-en-chip-drossel-0603-600r-500ma-1-6x0-8mm-29347900.pdf?src-supplier=Conrad, ComponentLink3Description=https://datasheet.ciiva.com/41449/001172228-da-01-en-drossel-0603-600r-1-6x0-8mm-4000st-41449517.pdf?src-supplier=Conrad, ComponentLink3URL=https://datasheet.ciiva.com/41449/001172228-da-01-en-drossel-0603-600r-1-6x0-8mm-4000st-41449517.pdf?src-supplier=Conrad, ComponentLink4Description=https://datasheet.ciiva.com/1012/l0110s0100blm18a-1012018.pdf?src-supplier=Digi-Key, ComponentLink4URL=https://datasheet.ciiva.com/1012/l0110s0100blm18a-1012018.pdf?src-supplier=Digi-Key, ComponentLink5Description=https://datasheet.ciiva.com/1012/l0110s0100blm18a-1012019.pdf?src-supplier=Digi-Key, ComponentLink5URL=https://datasheet.ciiva.com/1012/l0110s0100blm18a-1012019.pdf?src-supplier=Digi-Key, ComponentLink6Description=https://datasheet.ciiva.com/1466/1756147-1466934.pdf?src-supplier=Element14, ComponentLink6URL=https://datasheet.ciiva.com/1466/1756147-1466934.pdf?src-supplier=Element14, ComponentLink7Description=https://datasheet.ciiva.com/3081/l0110s0100blm18a-3081613.pdf?src-supplier=Avnet, ComponentLink7URL=https://datasheet.ciiva.com/3081/l0110s0100blm18a-3081613.pdf?src-supplier=Avnet, ComponentLink8Description=https://datasheet.ciiva.com/1012/l0110s0100blm18a-1012017.pdf?src-supplier=Digi-Key, ComponentLink8URL=https://datasheet.ciiva.com/1012/l0110s0100blm18a-1012017.pdf?src-supplier=Digi-Key, ComponentLink9Description=https://datasheet.ciiva.com/1466/1756147-1466933.pdf?src-supplier=Element14, ComponentLink9URL=https://datasheet.ciiva.com/1466/1756147-1466933.pdf?src-supplier=Element14, ComponentLink10Description=https://datasheet.ciiva.com/16210/l0110s0100blm18a-16210006.pdf?src-supplier=Future+Electronics, ComponentLink10URL=https://datasheet.ciiva.com/16210/l0110s0100blm18a-16210006.pdf?src-supplier=Future+Electronics, Core Material=Ferrite, DC Current=500mA, Depth=0.8mm, Height=0.8mm, Impedance=600R, Lead Free="Lead Free", Length=1.6mm, Material=Steel, Max Current Rating=500mA, Max DC Current=500mA, Military Standard=Not, Number of Circuits=1, Number of Lines=1, Number of Pins=2, Packaging="Tape and Reel", Pricing 1="1 = 0,10000, 10 = 0,07900, 25 = 0,07200, 50 = 0,06480, 100 = 0,04760, 250 = 0,03460, 500 = 0,03170, 1000 = 0,02738 (USD)", Radiation Hardening=No, REACH SVHC="No SVHC", RoHS=Yes, Shielding=Unshielded, Stock 1=1151376, Supplier 1=Digi-Key, Termination=SMD/SMT, Test Frequency=100MHz, Weight=7.1E-05oz, Width=0.8mm
Fid1 Fid2 Fid3: "Fiducial Mark", Part Number=Fid-Mark, Artikkelnr Noca=N.A., Artikkelnr Simpro=N.A., Footprint Doc=Fiducial, LatestRevisionDate=2009-12-12, Pin Count=1, Published=2009-12-12, Publisher="Nordic Semiconductor"
IC1: library part "MICRON MT28EW128", "Parallel NOR Flash Embedded Memory", Manufacturer="Micron Technology", Manufacturer Part Number=MT28EW128ABA1HPC-0SIT, Max Operating Temperature=85°C, Min Operating Temperature=-40°C, Supplier Part Number 1=557-1777-ND, Access Time=95ns, ComponentLink1Description=https://www.micron.com/~/media/documents/products/data-sheet/nor-flash/parallel/mt28ew_mt28fw/mt28ew_qlhp_128_aba_0sit.pdf?src-supplier=Digi-Key, ComponentLink1URL=https://www.micron.com/~/media/documents/products/data-sheet/nor-flash/parallel/mt28ew_mt28fw/mt28ew_qlhp_128_aba_0sit.pdf?src-supplier=Digi-Key, Memory Size=128Mb, Memory Type=Non-Volatile,FLASH, Mount="Surface Mount", Number of Pins=64, Packaging=Tray, Pricing 1="1 = 3,60000, 10 = 3,26400, 25 = 3,19320, 50 = 3,17540, 100 = 2,84780, 250 = 2,83716, 500 = 2,73266, 1000 = 2,59806 (USD)", RoHS=Yes, Stock 1=1436, Supplier 1=Digi-Key
IC2: library part "DIODES AP7362", "The AP7362 is a 1.5A adjustable output voltage linear regulator with ultra-low dropout.", Case/Package=SOP, Manufacturer=Diodes, Manufacturer Part Number=AP7362-33SP-13, Max Input Voltage=5.5V, Max Operating Temperature=85°C, Max Output Current=1.5A, Min Input Voltage=2.2V, Min Operating Temperature=-40°C, Output Voltage=3.3V, Quiescent Current=25nA, Supplier Part Number 1=AP7362-33SP-13DICT-ND, Accuracy=3.5%, ComponentLink1Description=http://www.mouser.com/ds/2/115/AP7362-476331.pdf?src-supplier=Mouser, ComponentLink1URL=http://www.mouser.com/ds/2/115/AP7362-476331.pdf?src-supplier=Mouser, ComponentLink2Description=https://www.diodes.com/assets/Datasheets/AP7362.pdf?src-supplier=Digi-Key, ComponentLink2URL=https://www.diodes.com/assets/Datasheets/AP7362.pdf?src-supplier=Digi-Key, ComponentLink3Description=http://diodes.com/datasheets/AP7362.pdf?src-supplier=Avnet, ComponentLink3URL=http://diodes.com/datasheets/AP7362.pdf?src-supplier=Avnet, Contact Plating=Tin, Mount="Surface Mount", Number of Outputs=1, Number of Pins=8, Number of Regulators=1, Output Current=1.5A, Output Type=Fixed, Packaging="Tape and Reel", Polarity=Positive, Pricing 1="1 = 0,51000, 10 = 0,43600, 25 = 0,40640, 100 = 0,30200, 250 = 0,25552, 500 = 0,24392, 1000 = 0,18003 (USD)", RoHS=Yes, Stock 1=2958, Supplier 1=Digi-Key